# KiCad board SparkFun_BMV080_panelized.kicad_pcb (continued)
## Placement (name value [footprint] x y rotation side) (continued)
kibuzzard-66C4B81D#45  G***  [kibuzzard-66C4B81D]  128.73 115.92 90 top
kibuzzard-66C4B81D#46  G***  [kibuzzard-66C4B81D]  128.73 23.52 90 top
kibuzzard-66C4B81D#47  G***  [kibuzzard-66C4B81D]  128.73 49.92 90 top
kibuzzard-66C4B81D#48  G***  [kibuzzard-66C4B81D]  153.36 102.72 90 top
kibuzzard-66C4B81D#49  G***  [kibuzzard-66C4B81D]  153.36 76.32 90 top
kibuzzard-66C4B81D#50  G***  [kibuzzard-66C4B81D]  153.36 89.52 90 top
kibuzzard-66C4B81D#51  G***  [kibuzzard-66C4B81D]  153.36 115.92 90 top
kibuzzard-66C4B81D#52  G***  [kibuzzard-66C4B81D]  153.36 49.92 90 top
kibuzzard-66C4B81D#53  G***  [kibuzzard-66C4B81D]  153.36 36.72 90 top
kibuzzard-66C4B81D#54  G***  [kibuzzard-66C4B81D]  153.36 63.12 90 top
kibuzzard-66C7A36E  G***  [kibuzzard-66C7A36E]  16.35 90.44 90 top
kibuzzard-66C7A36E#2  G***  [kibuzzard-66C7A36E]  16.35 103.64 90 top
kibuzzard-66C7A36E#3  G***  [kibuzzard-66C7A36E]  16.35 116.84 90 top
kibuzzard-66C7A36E#4  G***  [kibuzzard-66C7A36E]  40.98 11.24 90 top
kibuzzard-66C7A36E#5  G***  [kibuzzard-66C7A36E]  16.35 24.44 90 top
kibuzzard-66C7A36E#6  G***  [kibuzzard-66C7A36E]  16.35 37.64 90 top
kibuzzard-66C7A36E#7  G***  [kibuzzard-66C7A36E]  16.35 50.84 90 top
kibuzzard-66C7A36E#8  G***  [kibuzzard-66C7A36E]  16.35 64.04 90 top
kibuzzard-66C7A36E#9  G***  [kibuzzard-66C7A36E]  16.35 77.24 90 top
kibuzzard-66C7A36E#10  G***  [kibuzzard-66C7A36E]  40.98 103.64 90 top
kibuzzard-66C7A36E#11  G***  [kibuzzard-66C7A36E]  65.61 90.44 90 top
kibuzzard-66C7A36E#12  G***  [kibuzzard-66C7A36E]  90.24 24.44 90 top
kibuzzard-66C7A36E#13  G***  [kibuzzard-66C7A36E]  90.24 50.84 90 top
kibuzzard-66C7A36E#14  G***  [kibuzzard-66C7A36E]  65.61 37.64 90 top
kibuzzard-66C7A36E#15  G***  [kibuzzard-66C7A36E]  65.61 11.24 90 top
kibuzzard-66C7A36E#16  G***  [kibuzzard-66C7A36E]  40.98 77.24 90 top
kibuzzard-66C7A36E#17  G***  [kibuzzard-66C7A36E]  40.98 116.84 90 top
kibuzzard-66C7A36E#18  G***  [kibuzzard-66C7A36E]  65.61 64.04 90 top
kibuzzard-66C7A36E#19  G***  [kibuzzard-66C7A36E]  40.98 37.64 90 top
kibuzzard-66C7A36E#20  G***  [kibuzzard-66C7A36E]  40.98 90.44 90 top
kibuzzard-66C7A36E#21  G***  [kibuzzard-66C7A36E]  65.61 77.24 90 top
kibuzzard-66C7A36E#22  G***  [kibuzzard-66C7A36E]  65.61 116.84 90 top
kibuzzard-66C7A36E#23  G***  [kibuzzard-66C7A36E]  90.24 11.24 90 top
kibuzzard-66C7A36E#24  G***  [kibuzzard-66C7A36E]  40.98 50.84 90 top
kibuzzard-66C7A36E#25  G***  [kibuzzard-66C7A36E]  65.61 24.44 90 top
kibuzzard-66C7A36E#26  G***  [kibuzzard-66C7A36E]  40.98 64.04 90 top
kibuzzard-66C7A36E#27  G***  [kibuzzard-66C7A36E]  40.98 24.44 90 top
kibuzzard-66C7A36E#28  G***  [kibuzzard-66C7A36E]  65.61 50.84 90 top
kibuzzard-66C7A36E#29  G***  [kibuzzard-66C7A36E]  65.61 103.64 90 top
kibuzzard-66C7A36E#30  G***  [kibuzzard-66C7A36E]  90.24 37.64 90 top
kibuzzard-66C7A36E#31  G***  [kibuzzard-66C7A36E]  90.24 90.44 90 top
kibuzzard-66C7A36E#32  G***  [kibuzzard-66C7A36E]  90.24 103.64 90 top
kibuzzard-66C7A36E#33  G***  [kibuzzard-66C7A36E]  114.87 103.64 90 top
kibuzzard-66C7A36E#34  G***  [kibuzzard-66C7A36E]  139.5 90.44 90 top
kibuzzard-66C7A36E#35  G***  [kibuzzard-66C7A36E]  114.87 24.44 90 top
kibuzzard-66C7A36E#36  G***  [kibuzzard-66C7A36E]  114.87 77.24 90 top
kibuzzard-66C7A36E#37  G***  [kibuzzard-66C7A36E]  114.87 90.44 90 top
kibuzzard-66C7A36E#38  G***  [kibuzzard-66C7A36E]  90.24 77.24 90 top
kibuzzard-66C7A36E#39  G***  [kibuzzard-66C7A36E]  90.24 116.84 90 top
kibuzzard-66C7A36E#40  G***  [kibuzzard-66C7A36E]  90.24 64.04 90 top
kibuzzard-66C7A36E#41  G***  [kibuzzard-66C7A36E]  114.87 11.24 90 top
kibuzzard-66C7A36E#42  G***  [kibuzzard-66C7A36E]  114.87 37.64 90 top
kibuzzard-66C7A36E#43  G***  [kibuzzard-66C7A36E]  114.87 50.84 90 top
kibuzzard-66C7A36E#44  G***  [kibuzzard-66C7A36E]  139.5 24.44 90 top
kibuzzard-66C7A36E#45  G***  [kibuzzard-66C7A36E]  114.87 116.84 90 top
kibuzzard-66C7A36E#46  G***  [kibuzzard-66C7A36E]  139.5 37.64 90 top
kibuzzard-66C7A36E#47  G***  [kibuzzard-66C7A36E]  139.5 50.84 90 top
kibuzzard-66C7A36E#48  G***  [kibuzzard-66C7A36E]  139.5 64.04 90 top
kibuzzard-66C7A36E#49  G***  [kibuzzard-66C7A36E]  114.87 64.04 90 top
kibuzzard-66C7A36E#50  G***  [kibuzzard-66C7A36E]  139.5 11.24 90 top
kibuzzard-66C7A36E#51  G***  [kibuzzard-66C7A36E]  139.5 77.24 90 top
kibuzzard-66C7A36E#52  G***  [kibuzzard-66C7A36E]  139.5 116.84 90 top
kibuzzard-66C7A36E#53  G***  [kibuzzard-66C7A36E]  139.5 103.64 90 top
kibuzzard-66C7A36E#54  G***  [kibuzzard-66C7A36E]  16.35 11.24 90 top
kibuzzard-66C77290  G***  [kibuzzard-66C77290]  26.51 10.72 90 bottom
kibuzzard-66C77290#2  G***  [kibuzzard-66C77290]  149.66 103.12 90 bottom
kibuzzard-66C77290#3  G***  [kibuzzard-66C77290]  149.66 89.92 90 bottom
kibuzzard-66C77290#4  G***  [kibuzzard-66C77290]  149.66 63.52 90 bottom
kibuzzard-66C77290#5  G***  [kibuzzard-66C77290]  149.66 76.72 90 bottom
kibuzzard-66C77290#6  G***  [kibuzzard-66C77290]  149.66 116.32 90 bottom
kibuzzard-66C77290#7  G***  [kibuzzard-66C77290]  26.51 23.92 90 bottom
kibuzzard-66C77290#8  G***  [kibuzzard-66C77290]  51.14 103.12 90 bottom
kibuzzard-66C77290#9  G***  [kibuzzard-66C77290]  51.14 23.92 90 bottom
kibuzzard-66C77290#10  G***  [kibuzzard-66C77290]  51.14 63.52 90 bottom
kibuzzard-66C77290#11  G***  [kibuzzard-66C77290]  26.51 63.52 90 bottom
kibuzzard-66C77290#12  G***  [kibuzzard-66C77290]  26.51 116.32 90 bottom
kibuzzard-66C77290#13  G***  [kibuzzard-66C77290]  75.77 63.52 90 bottom
kibuzzard-66C77290#14  G***  [kibuzzard-66C77290]  75.77 37.12 90 bottom
kibuzzard-66C77290#15  G***  [kibuzzard-66C77290]  75.77 116.32 90 bottom
kibuzzard-66C77290#16  G***  [kibuzzard-66C77290]  26.51 50.32 90 bottom
kibuzzard-66C77290#17  G***  [kibuzzard-66C77290]  26.51 103.12 90 bottom
kibuzzard-66C77290#18  G***  [kibuzzard-66C77290]  26.51 37.12 90 bottom
kibuzzard-66C77290#19  G***  [kibuzzard-66C77290]  51.14 37.12 90 bottom
kibuzzard-66C77290#20  G***  [kibuzzard-66C77290]  26.51 76.72 90 bottom
kibuzzard-66C77290#21  G***  [kibuzzard-66C77290]  51.14 50.32 90 bottom
kibuzzard-66C77290#22  G***  [kibuzzard-66C77290]  51.14 10.72 90 bottom
kibuzzard-66C77290#23  G***  [kibuzzard-66C77290]  51.14 76.72 90 bottom
kibuzzard-66C77290#24  G***  [kibuzzard-66C77290]  26.51 89.92 90 bottom
kibuzzard-66C77290#25  G***  [kibuzzard-66C77290]  51.14 89.92 90 bottom
kibuzzard-66C77290#26  G***  [kibuzzard-66C77290]  51.14 116.32 90 bottom
kibuzzard-66C77290#27  G***  [kibuzzard-66C77290]  75.77 10.72 90 bottom
kibuzzard-66C77290#28  G***  [kibuzzard-66C77290]  75.77 23.92 90 bottom
kibuzzard-66C77290#29  G***  [kibuzzard-66C77290]  75.77 50.32 90 bottom
kibuzzard-66C77290#30  G***  [kibuzzard-66C77290]  75.77 76.72 90 bottom
kibuzzard-66C77290#31  G***  [kibuzzard-66C77290]  75.77 89.92 90 bottom
kibuzzard-66C77290#32  G***  [kibuzzard-66C77290]  75.77 103.12 90 bottom
kibuzzard-66C77290#33  G***  [kibuzzard-66C77290]  100.4 10.72 90 bottom
kibuzzard-66C77290#34  G***  [kibuzzard-66C77290]  100.4 23.92 90 bottom
kibuzzard-66C77290#35  G***  [kibuzzard-66C77290]  100.4 37.12 90 bottom
kibuzzard-66C77290#36  G***  [kibuzzard-66C77290]  125.03 50.32 90 bottom
kibuzzard-66C77290#37  G***  [kibuzzard-66C77290]  100.4 63.52 90 bottom
kibuzzard-66C77290#38  G***  [kibuzzard-66C77290]  125.03 76.72 90 bottom
kibuzzard-66C77290#39  G***  [kibuzzard-66C77290]  125.03 89.92 90 bottom
kibuzzard-66C77290#40  G***  [kibuzzard-66C77290]  125.03 103.12 90 bottom
kibuzzard-66C77290#41  G***  [kibuzzard-66C77290]  149.66 10.72 90 bottom
kibuzzard-66C77290#42  G***  [kibuzzard-66C77290]  125.03 116.32 90 bottom
kibuzzard-66C77290#43  G***  [kibuzzard-66C77290]  100.4 76.72 90 bottom
kibuzzard-66C77290#44  G***  [kibuzzard-66C77290]  149.66 23.92 90 bottom
kibuzzard-66C77290#45  G***  [kibuzzard-66C77290]  149.66 37.12 90 bottom
kibuzzard-66C77290#46  G***  [kibuzzard-66C77290]  149.66 50.32 90 bottom
kibuzzard-66C77290#47  G***  [kibuzzard-66C77290]  100.4 103.12 90 bottom
kibuzzard-66C77290#48  G***  [kibuzzard-66C77290]  100.4 50.32 90 bottom
kibuzzard-66C77290#49  G***  [kibuzzard-66C77290]  100.4 89.92 90 bottom
kibuzzard-66C77290#50  G***  [kibuzzard-66C77290]  100.4 116.32 90 bottom
kibuzzard-66C77290#51  G***  [kibuzzard-66C77290]  125.03 10.72 90 bottom
kibuzzard-66C77290#52  G***  [kibuzzard-66C77290]  125.03 23.92 90 bottom
kibuzzard-66C77290#53  G***  [kibuzzard-66C77290]  125.03 37.12 90 bottom
kibuzzard-66C77290#54  G***  [kibuzzard-66C77290]  125.03 63.52 90 bottom
kibuzzard-67250BE2  G***  [kibuzzard-67250BE2]  51.17 37.59 90 top
kibuzzard-67250BE2#2  G***  [kibuzzard-67250BE2]  51.17 63.99 90 top
kibuzzard-67250BE2#3  G***  [kibuzzard-67250BE2]  26.54 50.79 90 top
kibuzzard-67250BE2#4  G***  [kibuzzard-67250BE2]  26.54 37.59 90 top
kibuzzard-67250BE2#5  G***  [kibuzzard-67250BE2]  26.54 63.99 90 top
kibuzzard-67250BE2#6  G***  [kibuzzard-67250BE2]  26.54 24.39 90 top
kibuzzard-67250BE2#7  G***  [kibuzzard-67250BE2]  26.54 77.19 90 top
kibuzzard-67250BE2#8  G***  [kibuzzard-67250BE2]  26.54 90.39 90 top
kibuzzard-67250BE2#9  G***  [kibuzzard-67250BE2]  26.54 116.79 90 top
kibuzzard-67250BE2#10  G***  [kibuzzard-67250BE2]  51.17 11.19 90 top
kibuzzard-67250BE2#11  G***  [kibuzzard-67250BE2]  51.17 24.39 90 top
kibuzzard-67250BE2#12  G***  [kibuzzard-67250BE2]  26.54 103.59 90 top
kibuzzard-67250BE2#13  G***  [kibuzzard-67250BE2]  51.17 50.79 90 top
kibuzzard-67250BE2#14  G***  [kibuzzard-67250BE2]  51.17 77.19 90 top
kibuzzard-67250BE2#15  G***  [kibuzzard-67250BE2]  51.17 90.39 90 top
kibuzzard-67250BE2#16  G***  [kibuzzard-67250BE2]  51.17 116.79 90 top
kibuzzard-67250BE2#17  G***  [kibuzzard-67250BE2]  75.8 11.19 90 top
kibuzzard-67250BE2#18  G***  [kibuzzard-67250BE2]  51.17 103.59 90 top
kibuzzard-67250BE2#19  G***  [kibuzzard-67250BE2]  75.8 50.79 90 top
kibuzzard-67250BE2#20  G***  [kibuzzard-67250BE2]  100.43 24.39 90 top
kibuzzard-67250BE2#21  G***  [kibuzzard-67250BE2]  75.8 24.39 90 top
kibuzzard-67250BE2#22  G***  [kibuzzard-67250BE2]  75.8 37.59 90 top
kibuzzard-67250BE2#23  G***  [kibuzzard-67250BE2]  75.8 63.99 90 top
kibuzzard-67250BE2#24  G***  [kibuzzard-67250BE2]  75.8 77.19 90 top
kibuzzard-67250BE2#25  G***  [kibuzzard-67250BE2]  75.8 103.59 90 top
kibuzzard-67250BE2#26  G***  [kibuzzard-67250BE2]  75.8 116.79 90 top
kibuzzard-67250BE2#27  G***  [kibuzzard-67250BE2]  100.43 11.19 90 top
kibuzzard-67250BE2#28  G***  [kibuzzard-67250BE2]  75.8 90.39 90 top
kibuzzard-67250BE2#29  G***  [kibuzzard-67250BE2]  100.43 77.19 90 top
kibuzzard-67250BE2#30  G***  [kibuzzard-67250BE2]  100.43 50.79 90 top
kibuzzard-67250BE2#31  G***  [kibuzzard-67250BE2]  100.43 37.59 90 top
kibuzzard-67250BE2#32  G***  [kibuzzard-67250BE2]  100.43 90.39 90 top
kibuzzard-67250BE2#33  G***  [kibuzzard-67250BE2]  125.06 77.19 90 top
kibuzzard-67250BE2#34  G***  [kibuzzard-67250BE2]  125.06 37.59 90 top
kibuzzard-67250BE2#35  G***  [kibuzzard-67250BE2]  100.43 116.79 90 top
kibuzzard-67250BE2#36  G***  [kibuzzard-67250BE2]  125.06 24.39 90 top
kibuzzard-67250BE2#37  G***  [kibuzzard-67250BE2]  100.43 63.99 90 top
kibuzzard-67250BE2#38  G***  [kibuzzard-67250BE2]  100.43 103.59 90 top
kibuzzard-67250BE2#39  G***  [kibuzzard-67250BE2]  125.06 11.19 90 top
kibuzzard-67250BE2#40  G***  [kibuzzard-67250BE2]  125.06 50.79 90 top
kibuzzard-67250BE2#41  G***  [kibuzzard-67250BE2]  125.06 63.99 90 top
kibuzzard-67250BE2#42  G***  [kibuzzard-67250BE2]  149.69 77.19 90 top
kibuzzard-67250BE2#43  G***  [kibuzzard-67250BE2]  149.69 63.99 90 top
kibuzzard-67250BE2#44  G***  [kibuzzard-67250BE2]  125.06 90.39 90 top
kibuzzard-67250BE2#45  G***  [kibuzzard-67250BE2]  125.06 103.59 90 top
kibuzzard-67250BE2#46  G***  [kibuzzard-67250BE2]  149.69 24.39 90 top
kibuzzard-67250BE2#47  G***  [kibuzzard-67250BE2]  149.69 50.79 90 top
kibuzzard-67250BE2#48  G***  [kibuzzard-67250BE2]  125.06 116.79 90 top
kibuzzard-67250BE2#49  G***  [kibuzzard-67250BE2]  149.69 37.59 90 top
kibuzzard-67250BE2#50  G***  [kibuzzard-67250BE2]  149.69 11.19 90 top
kibuzzard-67250BE2#51  G***  [kibuzzard-67250BE2]  149.69 116.79 90 top
kibuzzard-67250BE2#52  G***  [kibuzzard-67250BE2]  149.69 103.59 90 top
kibuzzard-67250BE2#53  G***  [kibuzzard-67250BE2]  149.69 90.39 90 top
kibuzzard-67250BE2#54  G***  [kibuzzard-67250BE2]  26.54 11.19 90 top
kibuzzard-67250CD2  G***  [kibuzzard-67250CD2]  28.17 49.78 90 top
kibuzzard-67250CD2#2  G***  [kibuzzard-67250CD2]  52.8 62.98 90 top
kibuzzard-67250CD2#3  G***  [kibuzzard-67250CD2]  28.17 23.38 90 top
kibuzzard-67250CD2#4  G***  [kibuzzard-67250CD2]  28.17 115.78 90 top
kibuzzard-67250CD2#5  G***  [kibuzzard-67250CD2]  28.17 89.38 90 top
kibuzzard-67250CD2#6  G***  [kibuzzard-67250CD2]  52.8 36.58 90 top
kibuzzard-67250CD2#7  G***  [kibuzzard-67250CD2]  28.17 76.18 90 top
kibuzzard-67250CD2#8  G***  [kibuzzard-67250CD2]  52.8 23.38 90 top
kibuzzard-67250CD2#9  G***  [kibuzzard-67250CD2]  28.17 102.58 90 top
kibuzzard-67250CD2#10  G***  [kibuzzard-67250CD2]  52.8 49.78 90 top
kibuzzard-67250CD2#11  G***  [kibuzzard-67250CD2]  28.17 62.98 90 top
kibuzzard-67250CD2#12  G***  [kibuzzard-67250CD2]  28.17 36.58 90 top
kibuzzard-67250CD2#13  G***  [kibuzzard-67250CD2]  52.8 10.18 90 top
kibuzzard-67250CD2#14  G***  [kibuzzard-67250CD2]  102.06 49.78 90 top
kibuzzard-67250CD2#15  G***  [kibuzzard-67250CD2]  52.8 89.38 90 top
kibuzzard-67250CD2#16  G***  [kibuzzard-67250CD2]  102.06 89.38 90 top
kibuzzard-67250CD2#17  G***  [kibuzzard-67250CD2]  52.8 76.18 90 top
kibuzzard-67250CD2#18  G***  [kibuzzard-67250CD2]  52.8 102.58 90 top
kibuzzard-67250CD2#19  G***  [kibuzzard-67250CD2]  77.43 10.18 90 top
kibuzzard-67250CD2#20  G***  [kibuzzard-67250CD2]  77.43 23.38 90 top
kibuzzard-67250CD2#21  G***  [kibuzzard-67250CD2]  77.43 36.58 90 top
kibuzzard-67250CD2#22  G***  [kibuzzard-67250CD2]  77.43 76.18 90 top
kibuzzard-67250CD2#23  G***  [kibuzzard-67250CD2]  77.43 102.58 90 top
kibuzzard-67250CD2#24  G***  [kibuzzard-67250CD2]  102.06 10.18 90 top
kibuzzard-67250CD2#25  G***  [kibuzzard-67250CD2]  77.43 49.78 90 top
kibuzzard-67250CD2#26  G***  [kibuzzard-67250CD2]  77.43 62.98 90 top
kibuzzard-67250CD2#27  G***  [kibuzzard-67250CD2]  77.43 89.38 90 top
kibuzzard-67250CD2#28  G***  [kibuzzard-67250CD2]  102.06 23.38 90 top
kibuzzard-67250CD2#29  G***  [kibuzzard-67250CD2]  52.8 115.78 90 top
kibuzzard-67250CD2#30  G***  [kibuzzard-67250CD2]  102.06 36.58 90 top
kibuzzard-67250CD2#31  G***  [kibuzzard-67250CD2]  77.43 115.78 90 top
kibuzzard-67250CD2#32  G***  [kibuzzard-67250CD2]  102.06 62.98 90 top
kibuzzard-67250CD2#33  G***  [kibuzzard-67250CD2]  102.06 76.18 90 top
kibuzzard-67250CD2#34  G***  [kibuzzard-67250CD2]  151.32 10.18 90 top
kibuzzard-67250CD2#35  G***  [kibuzzard-67250CD2]  151.32 36.58 90 top
kibuzzard-67250CD2#36  G***  [kibuzzard-67250CD2]  151.32 62.98 90 top
kibuzzard-67250CD2#37  G***  [kibuzzard-67250CD2]  151.32 76.18 90 top
kibuzzard-67250CD2#38  G***  [kibuzzard-67250CD2]  151.32 89.38 90 top
kibuzzard-67250CD2#39  G***  [kibuzzard-67250CD2]  151.32 102.58 90 top
kibuzzard-67250CD2#40  G***  [kibuzzard-67250CD2]  102.06 115.78 90 top
kibuzzard-67250CD2#41  G***  [kibuzzard-67250CD2]  102.06 102.58 90 top
kibuzzard-67250CD2#42  G***  [kibuzzard-67250CD2]  126.69 23.38 90 top
kibuzzard-67250CD2#43  G***  [kibuzzard-67250CD2]  126.69 62.98 90 top
kibuzzard-67250CD2#44  G***  [kibuzzard-67250CD2]  126.69 102.58 90 top
kibuzzard-67250CD2#45  G***  [kibuzzard-67250CD2]  126.69 36.58 90 top
kibuzzard-67250CD2#46  G***  [kibuzzard-67250CD2]  126.69 10.18 90 top
kibuzzard-67250CD2#47  G***  [kibuzzard-67250CD2]  126.69 76.18 90 top
kibuzzard-67250CD2#48  G***  [kibuzzard-67250CD2]  126.69 89.38 90 top
kibuzzard-67250CD2#49  G***  [kibuzzard-67250CD2]  126.69 115.78 90 top
kibuzzard-67250CD2#50  G***  [kibuzzard-67250CD2]  126.69 49.78 90 top
kibuzzard-67250CD2#51  G***  [kibuzzard-67250CD2]  151.32 23.38 90 top
kibuzzard-67250CD2#52  G***  [kibuzzard-67250CD2]  151.32 49.78 90 top
kibuzzard-67250CD2#53  G***  [kibuzzard-67250CD2]  151.32 115.78 90 top
kibuzzard-67250CD2#54  G***  [kibuzzard-67250CD2]  28.17 10.18 90 top
kibuzzard-67250CEE  G***  [kibuzzard-67250CEE]  29.25 23.43 90 top
kibuzzard-67250CEE#2  G***  [kibuzzard-67250CEE]  29.25 49.83 90 top
kibuzzard-67250CEE#3  G***  [kibuzzard-67250CEE]  53.88 63.03 90 top
kibuzzard-67250CEE#4  G***  [kibuzzard-67250CEE]  53.88 89.43 90 top
kibuzzard-67250CEE#5  G***  [kibuzzard-67250CEE]  29.25 36.63 90 top
kibuzzard-67250CEE#6  G***  [kibuzzard-67250CEE]  29.25 89.43 90 top
kibuzzard-67250CEE#7  G***  [kibuzzard-67250CEE]  29.25 102.63 90 top
kibuzzard-67250CEE#8  G***  [kibuzzard-67250CEE]  29.25 115.83 90 top
kibuzzard-67250CEE#9  G***  [kibuzzard-67250CEE]  29.25 76.23 90 top
kibuzzard-67250CEE#10  G***  [kibuzzard-67250CEE]  53.88 10.23 90 top
kibuzzard-67250CEE#11  G***  [kibuzzard-67250CEE]  29.25 63.03 90 top
kibuzzard-67250CEE#12  G***  [kibuzzard-67250CEE]  53.88 36.63 90 top
kibuzzard-67250CEE#13  G***  [kibuzzard-67250CEE]  53.88 23.43 90 top
kibuzzard-67250CEE#14  G***  [kibuzzard-67250CEE]  53.88 49.83 90 top
kibuzzard-67250CEE#15  G***  [kibuzzard-67250CEE]  53.88 76.23 90 top
kibuzzard-67250CEE#16  G***  [kibuzzard-67250CEE]  53.88 102.63 90 top
kibuzzard-67250CEE#17  G***  [kibuzzard-67250CEE]  53.88 115.83 90 top
kibuzzard-67250CEE#18  G***  [kibuzzard-67250CEE]  78.51 10.23 90 top
kibuzzard-67250CEE#19  G***  [kibuzzard-67250CEE]  78.51 23.43 90 top
kibuzzard-67250CEE#20  G***  [kibuzzard-67250CEE]  78.51 36.63 90 top
kibuzzard-67250CEE#21  G***  [kibuzzard-67250CEE]  78.51 49.83 90 top
kibuzzard-67250CEE#22  G***  [kibuzzard-67250CEE]  103.14 49.83 90 top
kibuzzard-67250CEE#23  G***  [kibuzzard-67250CEE]  127.77 23.43 90 top
kibuzzard-67250CEE#24  G***  [kibuzzard-67250CEE]  127.77 63.03 90 top
kibuzzard-67250CEE#25  G***  [kibuzzard-67250CEE]  127.77 36.63 90 top
kibuzzard-67250CEE#26  G***  [kibuzzard-67250CEE]  103.14 36.63 90 top
kibuzzard-67250CEE#27  G***  [kibuzzard-67250CEE]  78.51 89.43 90 top
kibuzzard-67250CEE#28  G***  [kibuzzard-67250CEE]  127.77 115.83 90 top
kibuzzard-67250CEE#29  G***  [kibuzzard-67250CEE]  103.14 63.03 90 top
kibuzzard-67250CEE#30  G***  [kibuzzard-67250CEE]  78.51 76.23 90 top
kibuzzard-67250CEE#31  G***  [kibuzzard-67250CEE]  103.14 10.23 90 top
kibuzzard-67250CEE#32  G***  [kibuzzard-67250CEE]  78.51 102.63 90 top
kibuzzard-67250CEE#33  G***  [kibuzzard-67250CEE]  78.51 115.83 90 top
kibuzzard-67250CEE#34  G***  [kibuzzard-67250CEE]  103.14 23.43 90 top
kibuzzard-67250CEE#35  G***  [kibuzzard-67250CEE]  103.14 89.43 90 top
kibuzzard-67250CEE#36  G***  [kibuzzard-67250CEE]  78.51 63.03 90 top
kibuzzard-67250CEE#37  G***  [kibuzzard-67250CEE]  103.14 102.63 90 top
kibuzzard-67250CEE#38  G***  [kibuzzard-67250CEE]  103.14 115.83 90 top
kibuzzard-67250CEE#39  G***  [kibuzzard-67250CEE]  103.14 76.23 90 top
kibuzzard-67250CEE#40  G***  [kibuzzard-67250CEE]  127.77 10.23 90 top
kibuzzard-67250CEE#41  G***  [kibuzzard-67250CEE]  127.77 49.83 90 top
kibuzzard-67250CEE#42  G***  [kibuzzard-67250CEE]  127.77 89.43 90 top
kibuzzard-67250CEE#43  G***  [kibuzzard-67250CEE]  127.77 102.63 90 top
kibuzzard-67250CEE#44  G***  [kibuzzard-67250CEE]  127.77 76.23 90 top
kibuzzard-67250CEE#45  G***  [kibuzzard-67250CEE]  152.4 89.43 90 top
kibuzzard-67250CEE#46  G***  [kibuzzard-67250CEE]  152.4 23.43 90 top
kibuzzard-67250CEE#47  G***  [kibuzzard-67250CEE]  152.4 63.03 90 top
kibuzzard-67250CEE#48  G***  [kibuzzard-67250CEE]  152.4 76.23 90 top
kibuzzard-67250CEE#49  G***  [kibuzzard-67250CEE]  152.4 36.63 90 top
kibuzzard-67250CEE#50  G***  [kibuzzard-67250CEE]  152.4 10.23 90 top
kibuzzard-67250CEE#51  G***  [kibuzzard-67250CEE]  152.4 102.63 90 top
kibuzzard-67250CEE#52  G***  [kibuzzard-67250CEE]  152.4 115.83 90 top
kibuzzard-67250CEE#53  G***  [kibuzzard-67250CEE]  152.4 49.83 90 top
kibuzzard-67250CEE#54  G***  [kibuzzard-67250CEE]  29.25 10.23 90 top
NOREF  -  [Fiducial_1mm_Mask3mm]  152.15 127.26 0 top
NOREF#2  -  [Fiducial_1.5mm_Mask3mm]  8.83 4.74 0 top
NOREF#3  -  [Fiducial_1mm_Mask3mm]  8.83 127.26 0 top
NOREF#4  -  [Fiducial_1.5mm_Mask3mm]  8.83 4.74 0 bottom
NOREF#5  -  [Fiducial_1mm_Mask3mm]  152.15 127.26 0 bottom
NOREF#6  -  [Fiducial_1mm_Mask3mm]  8.83 127.26 0 bottom
R1  10k  [R_0402_1005Metric]  113.67 77.02 90 top
R1#2  10k  [R_0402_1005Metric]  64.41 11.02 90 top
R1#3  10k  [R_0402_1005Metric]  64.41 63.82 90 top
R1#4  10k  [R_0402_1005Metric]  64.41 103.42 90 top
R1#5  10k  [R_0402_1005Metric]  39.78 63.82 90 top
R1#6  10k  [R_0402_1005Metric]  64.41 90.22 90 top
R1#7  10k  [R_0402_1005Metric]  89.04 37.42 90 top
R1#8  10k  [R_0402_1005Metric]  15.15 103.42 90 top
R1#9  10k  [R_0402_1005Metric]  39.78 77.02 90 top
R1#10  10k  [R_0402_1005Metric]  39.78 24.22 90 top
R1#11  10k  [R_0402_1005Metric]  39.78 90.22 90 top
R1#12  10k  [R_0402_1005Metric]  39.78 37.42 90 top
R1#13  10k  [R_0402_1005Metric]  15.15 116.62 90 top
R1#14  10k  [R_0402_1005Metric]  39.78 50.62 90 top
R1#15  10k  [R_0402_1005Metric]  39.78 11.02 90 top
R1#16  10k  [R_0402_1005Metric]  39.78 103.42 90 top
R1#17  10k  [R_0402_1005Metric]  39.78 116.62 90 top
R1#18  10k  [R_0402_1005Metric]  64.41 24.22 90 top
R1#19  10k  [R_0402_1005Metric]  64.41 37.42 90 top
R1#20  10k  [R_0402_1005Metric]  64.41 50.62 90 top
R1#21  10k  [R_0402_1005Metric]  64.41 77.02 90 top
R1#22  10k  [R_0402_1005Metric]  64.41 116.62 90 top
R1#23  10k  [R_0402_1005Metric]  89.04 11.02 90 top
R1#24  10k  [R_0402_1005Metric]  89.04 24.22 90 top
R1#25  10k  [R_0402_1005Metric]  113.67 103.42 90 top
R1#26  10k  [R_0402_1005Metric]  138.3 37.42 90 top
R1#27  10k  [R_0402_1005Metric]  89.04 116.62 90 top
R1#28  10k  [R_0402_1005Metric]  138.3 24.22 90 top
R1#29  10k  [R_0402_1005Metric]  138.3 11.02 90 top
R1#30  10k  [R_0402_1005Metric]  138.3 103.42 90 top
R1#31  10k  [R_0402_1005Metric]  89.04 90.22 90 top
R1#32  10k  [R_0402_1005Metric]  89.04 50.62 90 top
R1#33  10k  [R_0402_1005Metric]  89.04 103.42 90 top
R1#34  10k  [R_0402_1005Metric]  113.67 24.22 90 top
R1#35  10k  [R_0402_1005Metric]  113.67 50.62 90 top
R1#36  10k  [R_0402_1005Metric]  113.67 90.22 90 top
R1#37  10k  [R_0402_1005Metric]  89.04 63.82 90 top
R1#38  10k  [R_0402_1005Metric]  113.67 63.82 90 top
R1#39  10k  [R_0402_1005Metric]  113.67 11.02 90 top
R1#40  10k  [R_0402_1005Metric]  89.04 77.02 90 top
R1#41  10k  [R_0402_1005Metric]  113.67 37.42 90 top
R1#42  10k  [R_0402_1005Metric]  113.67 116.62 90 top
R1#43  10k  [R_0402_1005Metric]  138.3 50.62 90 top
R1#44  10k  [R_0402_1005Metric]  138.3 77.02 90 top
R1#45  10k  [R_0402_1005Metric]  138.3 63.82 90 top
R1#46  10k  [R_0402_1005Metric]  138.3 90.22 90 top
R1#47  10k  [R_0402_1005Metric]  138.3 116.62 90 top
R1#48  10k  [R_0402_1005Metric]  15.15 50.62 90 top
R1#49  10k  [R_0402_1005Metric]  15.15 77.02 90 top
R1#50  10k  [R_0402_1005Metric]  15.15 24.22 90 top
R1#51  10k  [R_0402_1005Metric]  15.15 63.82 90 top
R1#52  10k  [R_0402_1005Metric]  15.15 90.22 90 top
R1#53  10k  [R_0402_1005Metric]  15.15 37.42 90 top
R1#54  10k  [R_0402_1005Metric]  15.15 11.02 90 top
R2  10k  [R_0402_1005Metric]  12.6 103.43 90 top
R2#2  10k  [R_0402_1005Metric]  37.23 37.43 90 top
R2#3  10k  [R_0402_1005Metric]  37.23 63.83 90 top
R2#4  10k  [R_0402_1005Metric]  12.6 24.23 90 top
R2#5  10k  [R_0402_1005Metric]  37.23 90.23 90 top
R2#6  10k  [R_0402_1005Metric]  37.23 103.43 90 top
R2#7  10k  [R_0402_1005Metric]  37.23 116.63 90 top
R2#8  10k  [R_0402_1005Metric]  37.23 50.63 90 top
R2#9  10k  [R_0402_1005Metric]  37.23 77.03 90 top
R2#10  10k  [R_0402_1005Metric]  12.6 50.63 90 top
R2#11  10k  [R_0402_1005Metric]  12.6 63.83 90 top
R2#12  10k  [R_0402_1005Metric]  12.6 77.03 90 top
R2#13  10k  [R_0402_1005Metric]  12.6 116.63 90 top
R2#14  10k  [R_0402_1005Metric]  12.6 37.43 90 top
R2#15  10k  [R_0402_1005Metric]  37.23 11.03 90 top
R2#16  10k  [R_0402_1005Metric]  12.6 90.23 90 top
R2#17  10k  [R_0402_1005Metric]  37.23 24.23 90 top
R2#18  10k  [R_0402_1005Metric]  61.86 103.43 90 top
R2#19  10k  [R_0402_1005Metric]  61.86 77.03 90 top
R2#20  10k  [R_0402_1005Metric]  61.86 24.23 90 top
R2#21  10k  [R_0402_1005Metric]  61.86 37.43 90 top
R2#22  10k  [R_0402_1005Metric]  61.86 11.03 90 top
R2#23  10k  [R_0402_1005Metric]  61.86 50.63 90 top
R2#24  10k  [R_0402_1005Metric]  61.86 63.83 90 top
R2#25  10k  [R_0402_1005Metric]  61.86 90.23 90 top
R2#26  10k  [R_0402_1005Metric]  111.12 103.43 90 top
R2#27  10k  [R_0402_1005Metric]  86.49 90.23 90 top
R2#28  10k  [R_0402_1005Metric]  86.49 77.03 90 top
R2#29  10k  [R_0402_1005Metric]  86.49 63.83 90 top
R2#30  10k  [R_0402_1005Metric]  86.49 116.63 90 top
R2#31  10k  [R_0402_1005Metric]  111.12 63.83 90 top
R2#32  10k  [R_0402_1005Metric]  111.12 24.23 90 top
R2#33  10k  [R_0402_1005Metric]  111.12 37.43 90 top
R2#34  10k  [R_0402_1005Metric]  86.49 11.03 90 top
R2#35  10k  [R_0402_1005Metric]  86.49 103.43 90 top
R2#36  10k  [R_0402_1005Metric]  86.49 24.23 90 top
R2#37  10k  [R_0402_1005Metric]  61.86 116.63 90 top
R2#38  10k  [R_0402_1005Metric]  86.49 37.43 90 top
R2#39  10k  [R_0402_1005Metric]  86.49 50.63 90 top
R2#40  10k  [R_0402_1005Metric]  111.12 11.03 90 top
R2#41  10k  [R_0402_1005Metric]  111.12 90.23 90 top
R2#42  10k  [R_0402_1005Metric]  111.12 50.63 90 top
R2#43  10k  [R_0402_1005Metric]  111.12 77.03 90 top
R2#44  10k  [R_0402_1005Metric]  135.75 24.23 90 top
R2#45  10k  [R_0402_1005Metric]  135.75 11.03 90 top
R2#46  10k  [R_0402_1005Metric]  135.75 116.63 90 top
R2#47  10k  [R_0402_1005Metric]  135.75 37.43 90 top
R2#48  10k  [R_0402_1005Metric]  135.75 90.23 90 top
R2#49  10k  [R_0402_1005Metric]  111.12 116.63 90 top
R2#50  10k  [R_0402_1005Metric]  135.75 77.03 90 top
R2#51  10k  [R_0402_1005Metric]  135.75 103.43 90 top
R2#52  10k  [R_0402_1005Metric]  135.75 50.63 90 top
R2#53  10k  [R_0402_1005Metric]  135.75 63.83 90 top
R2#54  10k  [R_0402_1005Metric]  12.6 11.03 90 top
R3  2.2k  [R_0402_1005Metric]  42.31 24.21 90 top
R3#2  2.2k  [R_0402_1005Metric]  42.31 37.41 90 top
R3#3  2.2k  [R_0402_1005Metric]  17.68 77.01 90 top
R3#4  2.2k  [R_0402_1005Metric]  17.68 50.61 90 top
R3#5  2.2k  [R_0402_1005Metric]  42.31 63.81 90 top
R3#6  2.2k  [R_0402_1005Metric]  42.31 11.01 90 top
R3#7  2.2k  [R_0402_1005Metric]  17.68 24.21 90 top
R3#8  2.2k  [R_0402_1005Metric]  17.68 90.21 90 top
R3#9  2.2k  [R_0402_1005Metric]  42.31 50.61 90 top
R3#10  2.2k  [R_0402_1005Metric]  17.68 103.41 90 top
R3#11  2.2k  [R_0402_1005Metric]  17.68 63.81 90 top
R3#12  2.2k  [R_0402_1005Metric]  17.68 116.61 90 top
R3#13  2.2k  [R_0402_1005Metric]  17.68 37.41 90 top
R3#14  2.2k  [R_0402_1005Metric]  66.94 90.21 90 top
R3#15  2.2k  [R_0402_1005Metric]  66.94 103.41 90 top
R3#16  2.2k  [R_0402_1005Metric]  91.57 24.21 90 top
R3#17  2.2k  [R_0402_1005Metric]  91.57 90.21 90 top
R3#18  2.2k  [R_0402_1005Metric]  91.57 116.61 90 top
R3#19  2.2k  [R_0402_1005Metric]  91.57 50.61 90 top
R3#20  2.2k  [R_0402_1005Metric]  66.94 11.01 90 top
R3#21  2.2k  [R_0402_1005Metric]  66.94 50.61 90 top
R3#22  2.2k  [R_0402_1005Metric]  66.94 77.01 90 top
R3#23  2.2k  [R_0402_1005Metric]  91.57 63.81 90 top
R3#24  2.2k  [R_0402_1005Metric]  91.57 77.01 90 top
R3#25  2.2k  [R_0402_1005Metric]  66.94 24.21 90 top
R3#26  2.2k  [R_0402_1005Metric]  66.94 37.41 90 top
R3#27  2.2k  [R_0402_1005Metric]  66.94 63.81 90 top
R3#28  2.2k  [R_0402_1005Metric]  42.31 77.01 90 top
R3#29  2.2k  [R_0402_1005Metric]  42.31 90.21 90 top
R3#30  2.2k  [R_0402_1005Metric]  42.31 103.41 90 top
R3#31  2.2k  [R_0402_1005Metric]  42.31 116.61 90 top
R3#32  2.2k  [R_0402_1005Metric]  66.94 116.61 90 top
R3#33  2.2k  [R_0402_1005Metric]  91.57 11.01 90 top
R3#34  2.2k  [R_0402_1005Metric]  91.57 37.41 90 top
R3#35  2.2k  [R_0402_1005Metric]  91.57 103.41 90 top
R3#36  2.2k  [R_0402_1005Metric]  140.83 37.41 90 top
R3#37  2.2k  [R_0402_1005Metric]  140.83 77.01 90 top
R3#38  2.2k  [R_0402_1005Metric]  116.2 103.41 90 top
R3#39  2.2k  [R_0402_1005Metric]  140.83 11.01 90 top
R3#40  2.2k  [R_0402_1005Metric]  116.2 24.21 90 top
R3#41  2.2k  [R_0402_1005Metric]  116.2 90.21 90 top
R3#42  2.2k  [R_0402_1005Metric]  116.2 63.81 90 top
R3#43  2.2k  [R_0402_1005Metric]  116.2 50.61 90 top
R3#44  2.2k  [R_0402_1005Metric]  116.2 77.01 90 top
R3#45  2.2k  [R_0402_1005Metric]  116.2 116.61 90 top
R3#46  2.2k  [R_0402_1005Metric]  140.83 24.21 90 top
R3#47  2.2k  [R_0402_1005Metric]  140.83 50.61 90 top
R3#48  2.2k  [R_0402_1005Metric]  140.83 90.21 90 top
R3#49  2.2k  [R_0402_1005Metric]  116.2 11.01 90 top
R3#50  2.2k  [R_0402_1005Metric]  116.2 37.41 90 top
R3#51  2.2k  [R_0402_1005Metric]  140.83 63.81 90 top
R3#52  2.2k  [R_0402_1005Metric]  140.83 103.41 90 top
R3#53  2.2k  [R_0402_1005Metric]  140.83 116.61 90 top
R3#54  2.2k  [R_0402_1005Metric]  17.68 11.01 90 top
R4  10k  [R_0402_1005Metric]  22.73 24.2 90 top
R4#2  10k  [R_0402_1005Metric]  22.73 116.6 90 top
R4#3  10k  [R_0402_1005Metric]  71.99 24.2 90 top
R4#4  10k  [R_0402_1005Metric]  47.36 37.4 90 top
R4#5  10k  [R_0402_1005Metric]  22.73 37.4 90 top
R4#6  10k  [R_0402_1005Metric]  22.73 77 90 top
R4#7  10k  [R_0402_1005Metric]  22.73 90.2 90 top
R4#8  10k  [R_0402_1005Metric]  47.36 11 90 top
R4#9  10k  [R_0402_1005Metric]  47.36 63.8 90 top
R4#10  10k  [R_0402_1005Metric]  22.73 63.8 90 top
R4#11  10k  [R_0402_1005Metric]  22.73 103.4 90 top
R4#12  10k  [R_0402_1005Metric]  47.36 24.2 90 top
R4#13  10k  [R_0402_1005Metric]  47.36 90.2 90 top
R4#14  10k  [R_0402_1005Metric]  47.36 116.6 90 top
R4#15  10k  [R_0402_1005Metric]  71.99 11 90 top
R4#16  10k  [R_0402_1005Metric]  47.36 103.4 90 top
R4#17  10k  [R_0402_1005Metric]  47.36 77 90 top
R4#18  10k  [R_0402_1005Metric]  22.73 50.6 90 top
R4#19  10k  [R_0402_1005Metric]  47.36 50.6 90 top
R4#20  10k  [R_0402_1005Metric]  71.99 116.6 90 top
R4#21  10k  [R_0402_1005Metric]  96.62 103.4 90 top
R4#22  10k  [R_0402_1005Metric]  121.25 24.2 90 top
R4#23  10k  [R_0402_1005Metric]  96.62 116.6 90 top
R4#24  10k  [R_0402_1005Metric]  121.25 63.8 90 top
R4#25  10k  [R_0402_1005Metric]  121.25 90.2 90 top
R4#26  10k  [R_0402_1005Metric]  96.62 90.2 90 top
R4#27  10k  [R_0402_1005Metric]  96.62 37.4 90 top
R4#28  10k  [R_0402_1005Metric]  71.99 90.2 90 top
R4#29  10k  [R_0402_1005Metric]  71.99 103.4 90 top
R4#30  10k  [R_0402_1005Metric]  96.62 24.2 90 top
R4#31  10k  [R_0402_1005Metric]  96.62 50.6 90 top
R4#32  10k  [R_0402_1005Metric]  96.62 63.8 90 top
R4#33  10k  [R_0402_1005Metric]  71.99 50.6 90 top
R4#34  10k  [R_0402_1005Metric]  71.99 37.4 90 top
R4#35  10k  [R_0402_1005Metric]  71.99 63.8 90 top
R4#36  10k  [R_0402_1005Metric]  96.62 11 90 top
R4#37  10k  [R_0402_1005Metric]  71.99 77 90 top
R4#38  10k  [R_0402_1005Metric]  96.62 77 90 top
R4#39  10k  [R_0402_1005Metric]  121.25 11 90 top
R4#40  10k  [R_0402_1005Metric]  121.25 37.4 90 top
R4#41  10k  [R_0402_1005Metric]  121.25 50.6 90 top
R4#42  10k  [R_0402_1005Metric]  121.25 77 90 top
R4#43  10k  [R_0402_1005Metric]  145.88 24.2 90 top
R4#44  10k  [R_0402_1005Metric]  145.88 63.8 90 top
R4#45  10k  [R_0402_1005Metric]  145.88 103.4 90 top
R4#46  10k  [R_0402_1005Metric]  121.25 103.4 90 top
R4#47  10k  [R_0402_1005Metric]  145.88 77 90 top
R4#48  10k  [R_0402_1005Metric]  121.25 116.6 90 top
R4#49  10k  [R_0402_1005Metric]  145.88 37.4 90 top
R4#50  10k  [R_0402_1005Metric]  145.88 116.6 90 top
R4#51  10k  [R_0402_1005Metric]  145.88 90.2 90 top
R4#52  10k  [R_0402_1005Metric]  145.88 11 90 top
R4#53  10k  [R_0402_1005Metric]  145.88 50.6 90 top
R4#54  10k  [R_0402_1005Metric]  22.73 11 90 top
R5  2.2k  [R_0402_1005Metric]  44.88 103.41 90 top
R5#2  2.2k  [R_0402_1005Metric]  44.88 90.21 90 top
R5#3  2.2k  [R_0402_1005Metric]  20.25 103.41 90 top
R5#4  2.2k  [R_0402_1005Metric]  20.25 37.41 90 top
R5#5  2.2k  [R_0402_1005Metric]  20.25 24.21 90 top
R5#6  2.2k  [R_0402_1005Metric]  20.25 116.61 90 top
R5#7  2.2k  [R_0402_1005Metric]  44.88 11.01 90 top
R5#8  2.2k  [R_0402_1005Metric]  44.88 37.41 90 top
R5#9  2.2k  [R_0402_1005Metric]  20.25 77.01 90 top
R5#10  2.2k  [R_0402_1005Metric]  44.88 50.61 90 top
R5#11  2.2k  [R_0402_1005Metric]  20.25 50.61 90 top
R5#12  2.2k  [R_0402_1005Metric]  44.88 63.81 90 top
R5#13  2.2k  [R_0402_1005Metric]  20.25 63.81 90 top
R5#14  2.2k  [R_0402_1005Metric]  44.88 77.01 90 top
R5#15  2.2k  [R_0402_1005Metric]  20.25 90.21 90 top
R5#16  2.2k  [R_0402_1005Metric]  44.88 24.21 90 top
R5#17  2.2k  [R_0402_1005Metric]  44.88 116.61 90 top
R5#18  2.2k  [R_0402_1005Metric]  69.51 11.01 90 top
R5#19  2.2k  [R_0402_1005Metric]  69.51 24.21 90 top
R5#20  2.2k  [R_0402_1005Metric]  69.51 37.41 90 top
R5#21  2.2k  [R_0402_1005Metric]  94.14 37.41 90 top
R5#22  2.2k  [R_0402_1005Metric]  94.14 77.01 90 top
R5#23  2.2k  [R_0402_1005Metric]  69.51 50.61 90 top
R5#24  2.2k  [R_0402_1005Metric]  118.77 24.21 90 top
R5#25  2.2k  [R_0402_1005Metric]  69.51 90.21 90 top
R5#26  2.2k  [R_0402_1005Metric]  69.51 63.81 90 top
R5#27  2.2k  [R_0402_1005Metric]  94.14 50.61 90 top
R5#28  2.2k  [R_0402_1005Metric]  69.51 77.01 90 top
R5#29  2.2k  [R_0402_1005Metric]  69.51 116.61 90 top
R5#30  2.2k  [R_0402_1005Metric]  69.51 103.41 90 top
R5#31  2.2k  [R_0402_1005Metric]  94.14 24.21 90 top
R5#32  2.2k  [R_0402_1005Metric]  94.14 63.81 90 top
R5#33  2.2k  [R_0402_1005Metric]  94.14 90.21 90 top
R5#34  2.2k  [R_0402_1005Metric]  94.14 11.01 90 top
R5#35  2.2k  [R_0402_1005Metric]  94.14 103.41 90 top
R5#36  2.2k  [R_0402_1005Metric]  94.14 116.61 90 top
R5#37  2.2k  [R_0402_1005Metric]  118.77 11.01 90 top
R5#38  2.2k  [R_0402_1005Metric]  143.4 11.01 90 top
R5#39  2.2k  [R_0402_1005Metric]  143.4 37.41 90 top
R5#40  2.2k  [R_0402_1005Metric]  118.77 103.41 90 top
R5#41  2.2k  [R_0402_1005Metric]  118.77 77.01 90 top
R5#42  2.2k  [R_0402_1005Metric]  143.4 77.01 90 top
R5#43  2.2k  [R_0402_1005Metric]  143.4 50.61 90 top
R5#44  2.2k  [R_0402_1005Metric]  143.4 90.21 90 top
R5#45  2.2k  [R_0402_1005Metric]  118.77 116.61 90 top
R5#46  2.2k  [R_0402_1005Metric]  118.77 37.41 90 top
R5#47  2.2k  [R_0402_1005Metric]  118.77 50.61 90 top
R5#48  2.2k  [R_0402_1005Metric]  118.77 90.21 90 top
R5#49  2.2k  [R_0402_1005Metric]  118.77 63.81 90 top
R5#50  2.2k  [R_0402_1005Metric]  143.4 24.21 90 top
R5#51  2.2k  [R_0402_1005Metric]  143.4 63.81 90 top
R5#52  2.2k  [R_0402_1005Metric]  143.4 103.41 90 top
R5#53  2.2k  [R_0402_1005Metric]  143.4 116.61 90 top
R5#54  2.2k  [R_0402_1005Metric]  20.25 11.01 90 top
Ref**  Val**  [OSHW_Logo_2.5mm]  58.04 24.1 0 top
Ref**#2  Val**  [OSHW_Logo_2.5mm]  33.41 63.7 0 top
Ref**#3  Val**  [OSHW_Logo_2.5mm]  33.41 90.1 0 top
Ref**#4  Val**  [OSHW_Logo_2.5mm]  58.04 90.1 0 top
Ref**#5  Val**  [OSHW_Logo_2.5mm]  33.41 116.5 0 top
Ref**#6  Val**  [OSHW_Logo_2.5mm]  82.67 10.9 0 top
Ref**#7  Val**  [OSHW_Logo_2.5mm]  33.41 37.3 0 top
Ref**#8  Val**  [OSHW_Logo_2.5mm]  8.78 116.5 0 top
Ref**#9  Val**  [OSHW_Logo_2.5mm]  33.41 10.9 0 top
Ref**#10  Val**  [OSHW_Logo_2.5mm]  33.41 76.9 0 top
Ref**#11  Val**  [OSHW_Logo_2.5mm]  33.41 103.3 0 top
Ref**#12  Val**  [OSHW_Logo_2.5mm]  58.04 10.9 0 top
Ref**#13  Val**  [OSHW_Logo_2.5mm]  33.41 50.5 0 top
Ref**#14  Val**  [OSHW_Logo_2.5mm]  8.78 76.9 0 top
Ref**#15  Val**  [OSHW_Logo_2.5mm]  58.04 37.3 0 top
Ref**#16  Val**  [OSHW_Logo_2.5mm]  8.78 90.1 0 top
Ref**#17  Val**  [OSHW_Logo_2.5mm]  33.41 24.1 0 top
Ref**#18  Val**  [OSHW_Logo_2.5mm]  8.78 103.3 0 top
Ref**#19  Val**  [OSHW_Logo_2.5mm]  58.04 50.5 0 top
Ref**#20  Val**  [OSHW_Logo_2.5mm]  58.04 76.9 0 top
Ref**#21  Val**  [OSHW_Logo_2.5mm]  58.04 63.7 0 top
Ref**#22  Val**  [OSHW_Logo_2.5mm]  58.04 103.3 0 top
Ref**#23  Val**  [OSHW_Logo_2.5mm]  58.04 116.5 0 top
Ref**#24  Val**  [OSHW_Logo_2.5mm]  82.67 24.1 0 top
Ref**#25  Val**  [OSHW_Logo_2.5mm]  82.67 50.5 0 top
Ref**#26  Val**  [OSHW_Logo_2.5mm]  82.67 63.7 0 top
Ref**#27  Val**  [OSHW_Logo_2.5mm]  82.67 76.9 0 top
Ref**#28  Val**  [OSHW_Logo_2.5mm]  82.67 90.1 0 top
Ref**#29  Val**  [OSHW_Logo_2.5mm]  82.67 37.3 0 top
Ref**#30  Val**  [OSHW_Logo_2.5mm]  107.3 10.9 0 top
Ref**#31  Val**  [OSHW_Logo_2.5mm]  107.3 24.1 0 top
Ref**#32  Val**  [OSHW_Logo_2.5mm]  107.3 37.3 0 top
Ref**#33  Val**  [OSHW_Logo_2.5mm]  107.3 50.5 0 top
Ref**#34  Val**  [OSHW_Logo_2.5mm]  82.67 116.5 0 top
Ref**#35  Val**  [OSHW_Logo_2.5mm]  107.3 63.7 0 top
Ref**#36  Val**  [OSHW_Logo_2.5mm]  82.67 103.3 0 top
Ref**#37  Val**  [OSHW_Logo_2.5mm]  8.78 37.3 0 top
Ref**#38  Val**  [OSHW_Logo_2.5mm]  8.78 63.7 0 top
Ref**#39  Val**  [OSHW_Logo_2.5mm]  8.78 24.1 0 top
Ref**#40  Val**  [OSHW_Logo_2.5mm]  8.78 50.5 0 top
Ref**#41  Val**  [OSHW_Logo_2.5mm]  131.93 24.1 0 top
Ref**#42  Val**  [OSHW_Logo_2.5mm]  131.93 116.5 0 top
Ref**#43  Val**  [OSHW_Logo_2.5mm]  107.3 103.3 0 top
Ref**#44  Val**  [OSHW_Logo_2.5mm]  131.93 76.9 0 top
Ref**#45  Val**  [OSHW_Logo_2.5mm]  107.3 90.1 0 top
Ref**#46  Val**  [OSHW_Logo_2.5mm]  131.93 90.1 0 top
Ref**#47  Val**  [OSHW_Logo_2.5mm]  131.93 50.5 0 top
Ref**#48  Val**  [OSHW_Logo_2.5mm]  131.93 10.9 0 top
Ref**#49  Val**  [OSHW_Logo_2.5mm]  107.3 116.5 0 top
Ref**#50  Val**  [OSHW_Logo_2.5mm]  107.3 76.9 0 top
Ref**#51  Val**  [OSHW_Logo_2.5mm]  131.93 37.3 0 top
Ref**#52  Val**  [OSHW_Logo_2.5mm]  131.93 63.7 0 top
Ref**#53  Val**  [OSHW_Logo_2.5mm]  131.93 103.3 0 top
Ref**#54  Val**  [OSHW_Logo_2.5mm]  8.78 10.9 0 top
U1  BMV080  [FPC_0.3mm-13_molex_503566-1302]  108.98 108.14 90 top
U1#2  BMV080  [FPC_0.3mm-13_molex_503566-1302]  108.98 28.94 90 top
U1#3  BMV080  [FPC_0.3mm-13_molex_503566-1302]  108.98 94.94 90 top
U1#4  BMV080  [FPC_0.3mm-13_molex_503566-1302]  84.35 28.94 90 top
U1#5  BMV080  [FPC_0.3mm-13_molex_503566-1302]  84.35 55.34 90 top
U1#6  BMV080  [FPC_0.3mm-13_molex_503566-1302]  84.35 81.74 90 top
U1#7  BMV080  [FPC_0.3mm-13_molex_503566-1302]  84.35 68.54 90 top
U1#8  BMV080  [FPC_0.3mm-13_molex_503566-1302]  59.72 121.34 90 top
U1#9  BMV080  [FPC_0.3mm-13_molex_503566-1302]  84.35 15.74 90 top
U1#10  BMV080  [FPC_0.3mm-13_molex_503566-1302]  84.35 108.14 90 top
U1#11  BMV080  [FPC_0.3mm-13_molex_503566-1302]  84.35 121.34 90 top
U1#12  BMV080  [FPC_0.3mm-13_molex_503566-1302]  108.98 15.74 90 top
U1#13  BMV080  [FPC_0.3mm-13_molex_503566-1302]  108.98 55.34 90 top
U1#14  BMV080  [FPC_0.3mm-13_molex_503566-1302]  108.98 68.54 90 top
U1#15  BMV080  [FPC_0.3mm-13_molex_503566-1302]  108.98 81.74 90 top
U1#16  BMV080  [FPC_0.3mm-13_molex_503566-1302]  84.35 42.14 90 top
U1#17  BMV080  [FPC_0.3mm-13_molex_503566-1302]  84.35 94.94 90 top
U1#18  BMV080  [FPC_0.3mm-13_molex_503566-1302]  108.98 42.14 90 top
U1#19  BMV080  [FPC_0.3mm-13_molex_503566-1302]  108.98 121.34 90 top
U1#20  BMV080  [FPC_0.3mm-13_molex_503566-1302]  133.61 121.34 90 top
U1#21  BMV080  [FPC_0.3mm-13_molex_503566-1302]  133.61 108.14 90 top
U1#22  BMV080  [FPC_0.3mm-13_molex_503566-1302]  133.61 68.54 90 top
U1#23  BMV080  [FPC_0.3mm-13_molex_503566-1302]  133.61 42.14 90 top
U1#24  BMV080  [FPC_0.3mm-13_molex_503566-1302]  133.61 55.34 90 top
U1#25  BMV080  [FPC_0.3mm-13_molex_503566-1302]  133.61 15.74 90 top
U1#26  BMV080  [FPC_0.3mm-13_molex_503566-1302]  133.61 28.94 90 top
U1#27  BMV080  [FPC_0.3mm-13_molex_503566-1302]  133.61 94.94 90 top
U1#28  BMV080  [FPC_0.3mm-13_molex_503566-1302]  133.61 81.74 90 top
U1#29  BMV080  [FPC_0.3mm-13_molex_503566-1302]  10.46 42.14 90 top
U1#30  BMV080  [FPC_0.3mm-13_molex_503566-1302]  10.46 55.34 90 top
U1#31  BMV080  [FPC_0.3mm-13_molex_503566-1302]  10.46 68.54 90 top
U1#32  BMV080  [FPC_0.3mm-13_molex_503566-1302]  10.46 81.74 90 top
U1#33  BMV080  [FPC_0.3mm-13_molex_503566-1302]  10.46 94.94 90 top
U1#34  BMV080  [FPC_0.3mm-13_molex_503566-1302]  10.46 28.94 90 top
U1#35  BMV080  [FPC_0.3mm-13_molex_503566-1302]  35.09 15.74 90 top
U1#36  BMV080  [FPC_0.3mm-13_molex_503566-1302]  35.09 28.94 90 top
U1#37  BMV080  [FPC_0.3mm-13_molex_503566-1302]  10.46 108.14 90 top
U1#38  BMV080  [FPC_0.3mm-13_molex_503566-1302]  59.72 28.94 90 top
U1#39  BMV080  [FPC_0.3mm-13_molex_503566-1302]  59.72 42.14 90 top
U1#40  BMV080  [FPC_0.3mm-13_molex_503566-1302]  59.72 55.34 90 top
U1#41  BMV080  [FPC_0.3mm-13_molex_503566-1302]  59.72 81.74 90 top
U1#42  BMV080  [FPC_0.3mm-13_molex_503566-1302]  59.72 108.14 90 top
U1#43  BMV080  [FPC_0.3mm-13_molex_503566-1302]  59.72 68.54 90 top
U1#44  BMV080  [FPC_0.3mm-13_molex_503566-1302]  35.09 55.34 90 top
U1#45  BMV080  [FPC_0.3mm-13_molex_503566-1302]  59.72 94.94 90 top
U1#46  BMV080  [FPC_0.3mm-13_molex_503566-1302]  35.09 42.14 90 top
U1#47  BMV080  [FPC_0.3mm-13_molex_503566-1302]  10.46 121.34 90 top
U1#48  BMV080  [FPC_0.3mm-13_molex_503566-1302]  35.09 68.54 90 top
U1#49  BMV080  [FPC_0.3mm-13_molex_503566-1302]  35.09 81.74 90 top
U1#50  BMV080  [FPC_0.3mm-13_molex_503566-1302]  35.09 94.94 90 top
U1#51  BMV080  [FPC_0.3mm-13_molex_503566-1302]  35.09 121.34 90 top
U1#52  BMV080  [FPC_0.3mm-13_molex_503566-1302]  59.72 15.74 90 top
U1#53  BMV080  [FPC_0.3mm-13_molex_503566-1302]  35.09 108.14 90 top
U1#54  BMV080  [FPC_0.3mm-13_molex_503566-1302]  10.46 15.74 90 top

## Library data of the parts
C1 C1#2-C1#53 C2#2-C2#54 C3#2-C3#54 C4#2-C4#54 = -: Datasheet: https://cdn.sparkfun.com/assets/8/a/4/a/5/Kemet_Capacitor_Datasheet.pdf; Description: Unpolarized capacitor; PROD_ID: CAP-14232; Voltage: 10V; Tolerance: 10%
C1#54 C2-C4 = -: Datasheet: https://cdn.sparkfun.com/assets/8/a/4/a/5/Kemet_Capacitor_Datasheet.pdf; Description: Unpolarized capacitor; PROD_ID: CAP-14232; Voltage: 10V; Tolerance: 10%; ki_fp_filters: C_*
C5 C5#2 C5#4-C5#54 = -: Datasheet: https://cdn.sparkfun.com/assets/8/a/4/a/5/Kemet_Capacitor_Datasheet.pdf; Description: Unpolarized capacitor; PROD_ID: CAP-11015; Voltage: 6.3V; Tolerance: 20%
C5#3 = -: Datasheet: https://cdn.sparkfun.com/assets/8/a/4/a/5/Kemet_Capacitor_Datasheet.pdf; Description: Unpolarized capacitor; PROD_ID: CAP-11015; Voltage: 6.3V; Tolerance: 20%; ki_fp_filters: C_*
FID1 FID2#54 FID3 FID4#54 = -: Description: Fiducial Marker; ki_fp_filters: Fiducial*
FID1#2-FID1#54 FID2 FID2#2-FID2#53 FID3#2-FID3#54 FID4 FID4#2-FID4#53 = -: Description: Fiducial Marker
J1 = -: Datasheet: https://www.jst-mfg.com/product/pdf/eng/eSH.pdf; Description: 4 pin JST 1mm polarized connector for I2C; PROD_ID: CONN-13694; ki_fp_filters: Connector*:*_1x??_*
J1#2-J1#54 = -: Datasheet: https://www.jst-mfg.com/product/pdf/eng/eSH.pdf; Description: 4 pin JST 1mm polarized connector for I2C; PROD_ID: CONN-13694
J2 = -: Description: Generic connector, single row, 01x07, script generated (kicad-library-utils/schlib/autogen/connector/); ki_fp_filters: Connector*:*_1x??_*
J2#2-J2#54 = -: Description: Generic connector, single row, 01x07, script generated (kicad-library-utils/schlib/autogen/connector/)
JP1-JP3 = -: Description: 3-pole Solder Jumper, pins 1+2 closed/bridged; ki_fp_filters: SolderJumper*Bridged12*
JP1#2-JP1#54 JP2#2-JP2#54 JP3#2-JP3#54 = -: Description: 3-pole Solder Jumper, pins 1+2 closed/bridged
JP4 = -: Description: Solder Jumper, 3-pole, pins 1+2+3 closed/bridged; ki_fp_filters: SolderJumper*Bridged123*
JP4#2-JP4#54 = -: Description: Solder Jumper, 3-pole, pins 1+2+3 closed/bridged
R1 R1#2-R1#53 R2 R2#2-R2#53 R4 R4#2-R4#53 = -: Datasheet: https://www.vishay.com/docs/20035/dcrcwe3.pdf; Description: Resistor; PROD_ID: RES-14241
R1#54 R2#54 R4#54 = -: Datasheet: https://www.vishay.com/docs/20035/dcrcwe3.pdf; Description: Resistor; PROD_ID: RES-14241; ki_fp_filters: R_*
R3 R3#2-R3#53 R5 R5#2-R5#53 = -: Datasheet: https://www.vishay.com/docs/20035/dcrcwe3.pdf; Description: Resistor; PROD_ID: RES-14341
R3#54 R5#54 = -: Datasheet: https://www.vishay.com/docs/20035/dcrcwe3.pdf; Description: Resistor; PROD_ID: RES-14341; ki_fp_filters: R_*
U1 U1#2-U1#54 = -: Datasheet: NDA; Description: BMV080 Particulate Matter Sensor; PROD_ID: CONN-22959; PROD_ID_SENSOR: IC-22926

## Footprints (pads in the part's own frame, mm; a bottom-side part is the same pattern mirrored in y, then rotated)
1x07
  round 1.88 hole 1.016: 1(0,0) 2(2.54,0) 3(5.08,0) 4(7.62,0) 5(10.16,0) 6(12.7,0) 7(15.24,0)
C_0402_1005Metric
  rrect 0.56x0.62 smd: 1(-0.48,0) 2(0.48,0)
C_0603_1608Metric
  rrect 0.9x0.95 smd: 1(-0.775,0) 2(0.775,0)
Fiducial_0.5mm_Mask1mm
  round 0.5 smd: (0,0)
Fiducial_1.5mm_Mask3mm
  round 1.5 smd: (0,0)
Fiducial_1mm_Mask3mm
  round 1 smd: (0,0)
FPC_0.3mm-13_molex_503566-1302
  rrect 0.25x0.72 smd: 1(1.8,-1.265) 3(1.2,-1.265) 5(0.6,-1.265) 7(0,-1.265) 9(-0.6,-1.265) 11(-1.2,-1.265) 13(-1.8,-1.265)
  rrect 0.25x0.52 smd: 2(1.5,1.165) 4(0.9,1.165) 6(0.3,1.165) 8(-0.3,1.165) 10(-0.9,1.165) 12(-1.5,1.165)
  rrect 0.3x0.85 smd: M1(-2.51,-1.2) M1(2.51,-1.2)
JST_SMD_1.0mm-4_RA
  rect 0.6x1.35 smd: 1(-1.5,0) 2(-0.5,0) 3(0.5,0) 4(1.5,0)
  rect 1.2x2 smd: NC1(2.8,-3.675) NC2(-2.8,-3.675)
Jumper_3_NC-1_Trace_NoSilk
  rect 0.66x1.27 smd: 1(-1.041,0) 2(0,0) 3(1.041,0)
Jumper_3_NC-2_Trace_NoSilk
  rect 0.66x1.27 smd: 1(-1.041,0) 2(0,0) 3(1.041,0)
R_0402_1005Metric
  rrect 0.54x0.64 smd: 1(-0.51,0) 2(0.51,0)

## Nets
